# KiCad board C816SX.kicad_pcb (continued)
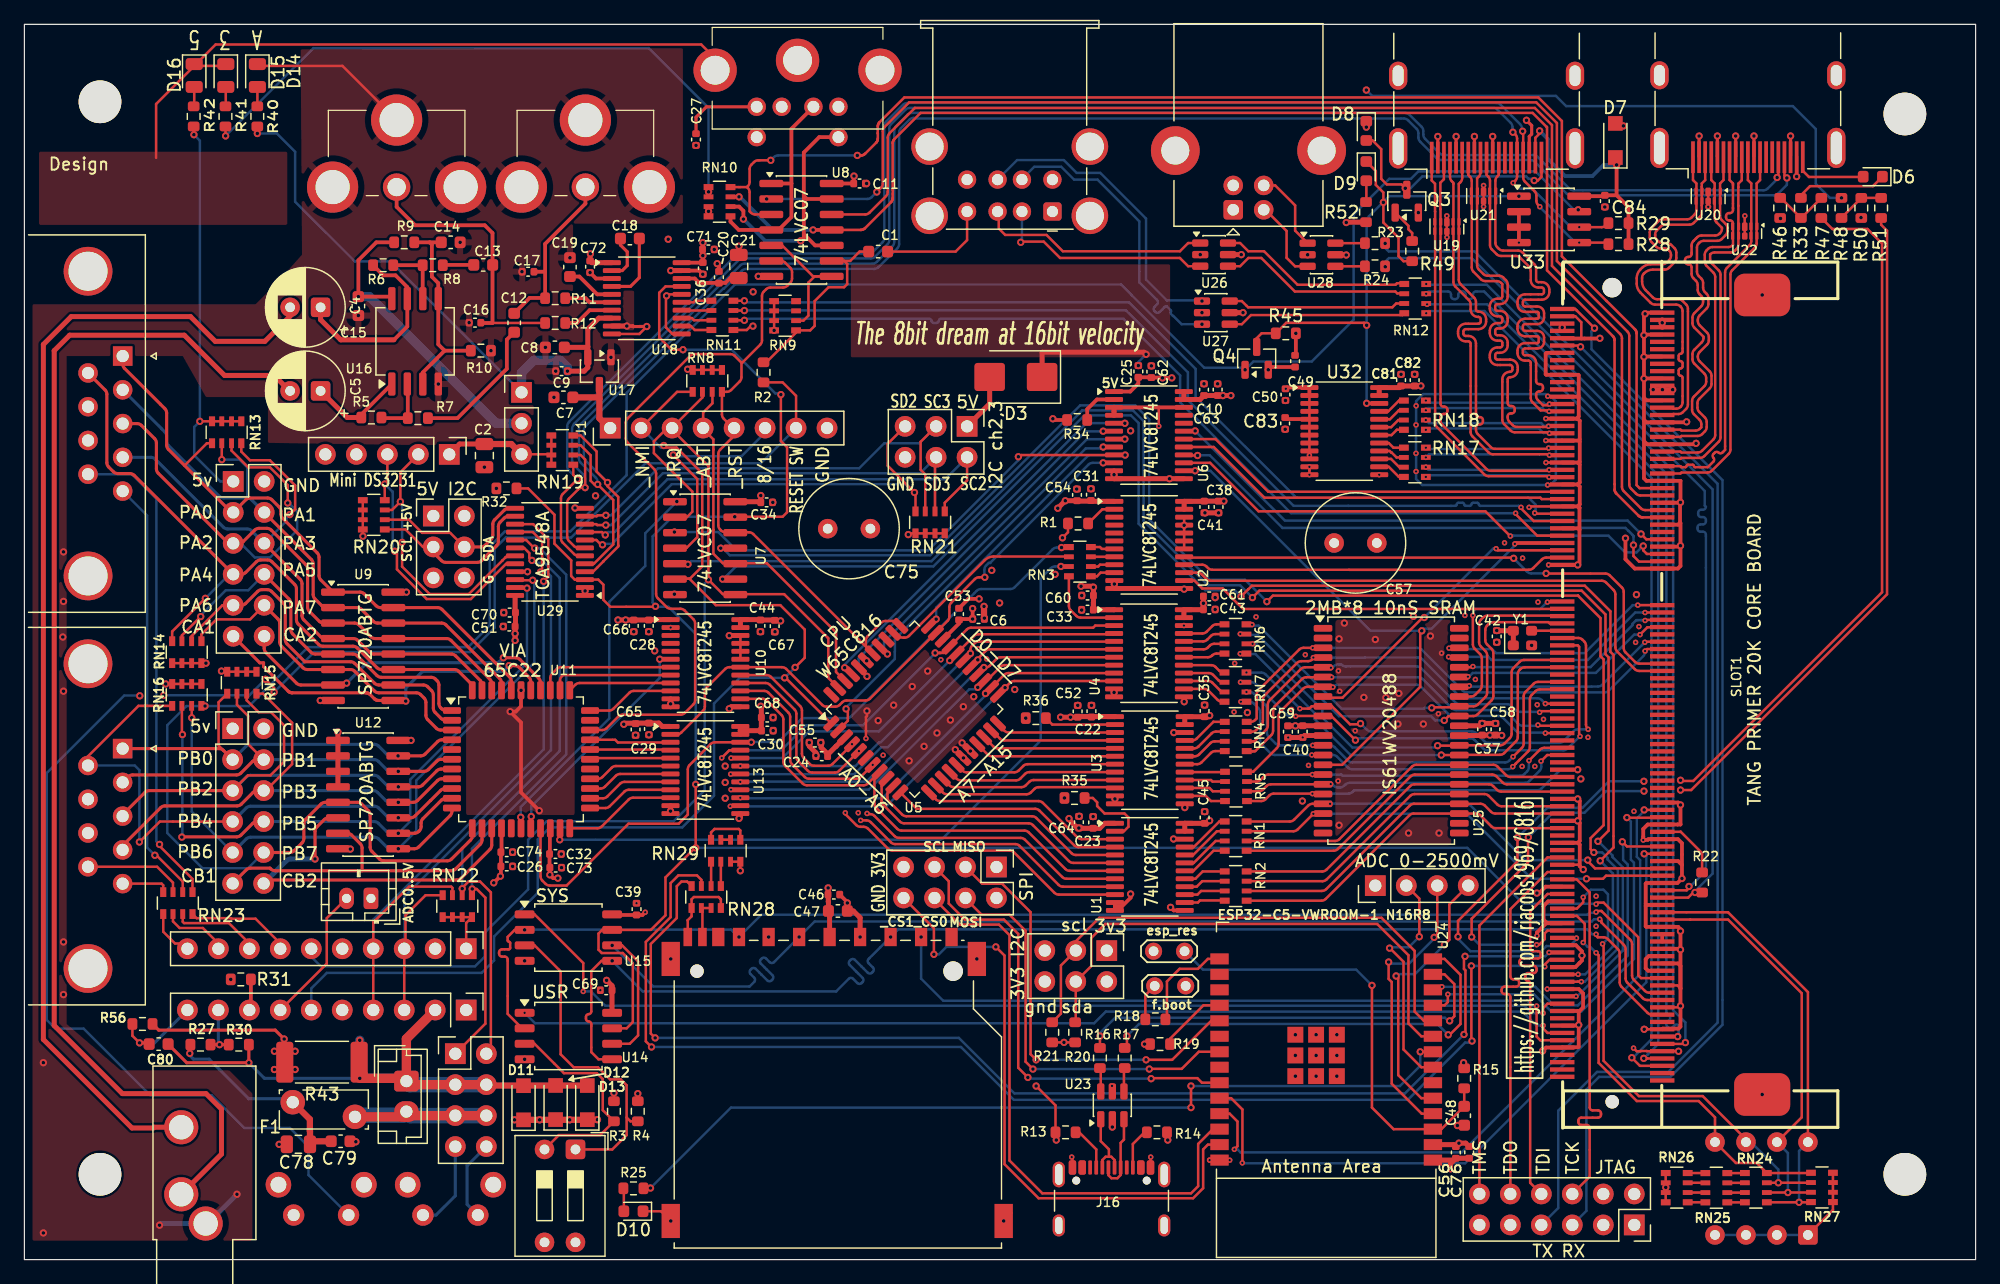
[diagram p0: board, top side]
## Library data of the parts (continued)
J28 J30 = -: Description: Generic connector, single row, 01x02, script generated (kicad-library-utils/schlib/autogen/connector/); KiLib_Generator: connector/JST; ki_fp_filters: Connector*:*_1x??_*
JP1 JP2 = -: Description: Jumper, 2-pole, open; ki_fp_filters: Jumper* TestPoint*2Pads* TestPoint*Bridge*
NT1 = -: Description: Net tie, 2 pins; ki_fp_filters: Net*Tie*
Q3 = -: Datasheet: http://www.aosmd.com/pdfs/datasheet/AO3401A.pdf; Description: -4.0A Id, -30V Vds, P-Channel MOSFET, SOT-23; KiLib_Generator: package/gullwing; LCSC: C15127; ki_fp_filters: SOT?23*
Q4 = -: Datasheet: http://www.aosmd.com/pdfs/datasheet/AO3400A.pdf; Description: 30V Vds, 5.7A Id, N-Channel MOSFET, SOT-23; KiLib_Generator: package/gullwing; LCSC: C20917; ki_fp_filters: SOT?23*
R1 R3 R4 R34-R36 R42 = -: Description: Resistor; KiLib_Generator: SMD_2terminal_chip_molded; LCSC: C21190; ki_fp_filters: R_*
R2 R11 R12 R18 R19 R25 R40 R41 R52 = -: Description: Resistor; KiLib_Generator: SMD_2terminal_chip_molded; LCSC: C23179; ki_fp_filters: R_*
R5-R8 R20 R21 R27-R31 = -: Description: Resistor; KiLib_Generator: SMD_2terminal_chip_molded; LCSC: C23018; ki_fp_filters: R_*
R9 R10 = -: Description: Resistor; KiLib_Generator: SMD_2terminal_chip_molded; LCSC: C25803; ki_fp_filters: R_*
R13 R14 = -: Description: Resistor; KiLib_Generator: SMD_2terminal_chip_molded; LCSC: C23186; ki_fp_filters: R_*
R15 R32 R45 R47 R49 R51 R56 = -: Description: Resistor; KiLib_Generator: SMD_2terminal_chip_molded; LCSC: C25804; ki_fp_filters: R_*
R16 R17 R23 R24 = -: Description: Resistor; KiLib_Generator: SMD_2terminal_chip_molded; LCSC: C23140; ki_fp_filters: R_*
R22 = -: Description: Resistor; KiLib_Generator: SMD_2terminal_chip_molded; LCSC: C22843; ki_fp_filters: R_*
R33 R48 = -: Description: Resistor; KiLib_Generator: SMD_2terminal_chip_molded; LCSC: C23151; ki_fp_filters: R_*
R43 = -: Description: Resistor; KiLib_Generator: SMD_2terminal_chip_molded; LCSC: C25334; ki_fp_filters: R_*
R46 R50 = -: Description: Resistor; KiLib_Generator: SMD_2terminal_chip_molded; LCSC: C23138; ki_fp_filters: R_*
RN1-RN7 RN11 RN12 = -: Description: 4 resistor network, parallel topology; LCSC: C25508; ki_fp_filters: DIP* SOIC* R*Array*Concave* R*Array*Convex* MSOP*
RN8 RN9 RN13-RN16 RN19-RN23 RN26-RN28 = -: Description: 4 resistor network, parallel topology; LCSC: C29718; ki_fp_filters: DIP* SOIC* R*Array*Concave* R*Array*Convex* MSOP*
RN10 RN24 RN25 RN29 = -: Description: 4 resistor network, parallel topology; LCSC: C20197; ki_fp_filters: DIP* SOIC* R*Array*Concave* R*Array*Convex* MSOP*
RN17 RN18 = -: Description: 4 resistor network, parallel topology; LCSC: C54832; ki_fp_filters: DIP* SOIC* R*Array*Concave* R*Array*Convex* MSOP*
SLOT1 = -: BOM_SUPPLIER: LCSC; BOM_SUPPLIER PART: C367004; BOM_MANUFACTURER: Lian Xin Technology; BOM_MANUFACTURER PART: XDAP-4042044-20401; SUBPART_NO: 2; BOM_JLCPCB PART CLASS: Extended Part; SPICEPRE: C; SPICESYMBOLNAME: 0705F0BE40F; ORGBOM_SUPPLIER: LCSC; ORGBOM_SUPPLIER PART: C367004; ORGBOM_MANUFACTURER: CONCRAFT; ORGBOM_MANUFACTURER PART: 0705F0BE40F; LCSC: C22471982; ki_fp_filters: DDR3-SMD_0705F0BE40F
SW1 = -: Description: 2x DIP Switch, Single Pole Single Throw (SPST) switch, small symbol; KiLib_Generator: button_switch/DIP; ki_fp_filters: SW?DIP?x2*
SW2 = -: Description: 4x DIP Switch, Single Pole Single Throw (SPST) switch, small symbol; KiLib_Generator: button_switch/DIP; ki_fp_filters: SW?DIP?x4*
SW5 SW6 = -: Description: PTS645VM83-2 LFS
U1-U4 U6 U10 U13 U32 = -: Datasheet: https://www.ti.com/lit/ds/symlink/sn74lvc8t245.pdf; Description: 8-Bit Dual-Supply Bus Transceiver; KiLib_Generator: package/gullwing; LCSC: C27643
U5 = -: Datasheet: http://www.westerndesigncenter.com/wdc/documentation/w65c816s.pdf; Description: 8/16-bit CMOS General Purpose Microprocessor, LQFP-44; KiLib_Generator: package/gullwing; LCSC: C38212898; ki_fp_filters: ?QFP*10x10mm*P0.8mm*
U7 U8 = -: Datasheet: www.ti.com/lit/ds/symlink/sn74ls07.pdf; Description: Hex Buffers and Drivers With Open Collector High Voltage Outputs; KiLib_Generator: package/gullwing; LCSC: C7659; ki_fp_filters: SOIC*3.9x8.7mm*P1.27mm* TSSOP*4.4x5mm*P0.65mm* DIP*W7.62mm*
U9 U12 = -: Datasheet: https://componentsearchengine.com/Datasheets/1/SP720APP.pdf; Description: TVS Diode Arrays 14 CH DIODE ARRAY; KiLib_Generator: package/gullwing; Height: 5.33; Mouser Part Number: 576-SP720APP; Mouser Price/Stock: https://www.mouser.co.uk/ProductDetail/Littelfuse/SP720APP?qs=RnOBYWd%2Fz7ctWfM2SrWSeA%3D%3D; Manufacturer_Name: LITTELFUSE; Manufacturer_Part_Number: SP720APP; LCSC: C434726
U11 = -: Datasheet: http://www.westerndesigncenter.com/wdc/documentation/w65c22.pdf; Description: CMOS Versatile Interface Adapter (VIA), 20-pin I/O, 2 Timer/Counters, LQFP-44; KiLib_Generator: package/gullwing; LCSC: C9900278080; ki_fp_filters: ?QFP*10x10mm*P0.8mm*
U14 U15 = -: Datasheet: https://www.winbond.com/resource-files/w25q128jv_dtr%20revc%2003272018%20plus.pdf; Description: 128Mbit / 16MiB Serial Flash Memory, Standard/Dual/Quad SPI, 2.7-3.6V, SOIC-8; KiLib_Generator: package/gullwing; LCSC: C97521; ki_fp_filters: *SOIC*5.3x5.3mm*P1.27mm*
U16 = -: Datasheet: https://www.st.com/resource/en/datasheet/ts482.pdf; Description: STMICROELECTRONICS - TS482IDT - Audio Power Amplifier, 67.5 mW, 2 Channel, 2V to 5.5V, SOIC, 8 Pins; KiLib_Generator: package/gullwing; Height: 1.75; Mouser Part Number: 511-TS482IDT; Mouser Price/Stock: https://www.mouser.co.uk/ProductDetail/STMicroelectronics/TS482IDT?qs=5h8Q3Z7TNRlAZa7gg2ishA%3D%3D; Manufacturer_Name: STMicroelectronics; LCSC: C20632
U17 = -: Datasheet: https://www.torexsemi.com/file/xc6206/XC6206.pdf; Description: Positive 60-250mA Low Dropout Regulator, Fixed Output, SOT-23; KiLib_Generator: package/gullwing; LCSC: C5446; ki_fp_filters: SOT?23?3*
U18 = -: Datasheet: https://www.ti.com/lit/ds/symlink/pcm5102a.pdf; Description: 2.1 VRMS, 112dB Audio Stereo DAC with PLL and 32-bit, 384kHz PCM Interface, TSSOP-20; KiLib_Generator: package/gullwing; LCSC: C107671; ki_fp_filters: TSSOP*4.4x6.5mm*P0.65mm*
U19-U22 = -: Datasheet: https://www.lcsc.com/datasheet/C4748778.pdf; Description: 4-Channel Low Capacitance ESD Diode Array, 3.3Vrwm, 15kV air, 10kV contact, DFN-10; KiLib_Generator: package/no_lead; LCSC: C552638; ki_fp_filters: Diodes*UDFN*1x2.5mm*P0.5mm*
U23 U26-U28 = -: Datasheet: https://www.st.com/resource/en/datasheet/usblc6-2.pdf; Description: Very low capacitance ESD protection diode, 2 data-line, SOT-23-6; KiLib_Generator: package/gullwing; LCSC: C7519; ki_fp_filters: SOT?23*
U24 = -: LCSC: C53054799; ki_fp_filters: ESP32-C6-WROOM-1*
U25 = -: Datasheet: http://www.issi.com/WW/pdf/61-64WV20488FALL-FBLL.pdf; Description: SRAM 16Mb,High-Speed,Async,2Mbx8,10ns, 2.4v-3.6v, 44 Pin TSOP II, RoHS; KiLib_Generator: package/gullwing; Height: 1.2; Mouser Part Number: 870-61W20488FBLL10TI; Mouser Price/Stock: https://www.mouser.co.uk/ProductDetail/ISSI/IS61WV20488FBLL-10TLI?qs=l7cgNqFNU1hrNZYLU3MwTg%3D%3D; Manufacturer_Name: Integrated Silicon Solution Inc.; Manufacturer_Part_Number: IS61WV20488FBLL-10TLI; LCSC: C412835
U29 = -: Datasheet: http://www.ti.com/lit/ds/symlink/tca9548a.pdf; Description: Low voltage 8-channel I2C switch with reset, TSSOP-24; KiLib_Generator: package/gullwing; LCSC: C130026; ki_fp_filters: TSSOP*4.4x7.8mm*P0.65mm*
U33 = -: Datasheet: https://ww1.microchip.com/downloads/aemDocuments/documents/MPD/ProductDocuments/DataSheets/2-Kbit-5.0V-I2C-Serial-EEPROM-Data-Sheet-DS20001202.pdf; Description: 2-Kbit (256 x 8-bit) I2C Serial EEPROM, chip address inputs (A0, A1, A2), write-protect pin (WP), 4.5..5.5V supply, SOIC-8; KiLib_Generator: package/gullwing; ki_fp_filters: *SO*3.9x4.9mm*P1.27mm*
Y1 = -: Datasheet: https://www.sitime.com/support/resource-library/datasheets/sit8008-datasheet; Description: SiTime Low Power Mems programmable oscillator, 1MHz to 110MHz, PQFN-4, 2.0x1.6mm (with output enable pin); KiLib_Generator: crystal_resonator_oscillator; LCSC: C668757; ki_fp_filters: *PQFN*2.0x1.6mm*

## Footprints (pads in the part's own frame, mm; a bottom-side part is the same pattern mirrored in y, then rotated)
57492651
  round 1.509 hole 0.97: 1(0,0) 2(-2.6,0) 3(2.05,0) 4(-4.65,0) 5(2.05,-2.49) 6(-4.65,-2.49)
  round 3.555 hole 2.37: 7(-1.3,3.81) 8(-8.06,3) 9(5.46,3)
C_0402_1005Metric
  rrect 0.56x0.62 smd: 1(-0.48,0) 2(0.48,0)
C_0603_1608Metric
  rrect 0.9x0.95 smd: 1(-0.775,0) 2(0.775,0)
C_0805_2012Metric
  rrect 1x1.45 smd: 1(-0.95,0) 2(0.95,0)
C_Radial_D8.0mm_H7.0mm_P3.50mm
  round 1.6 hole 0.8: 1(0,0) 2(3.5,0)
CP_Radial_D6.3mm_P2.50mm
  rrect 1.6x1.6 hole 0.8: 1(0,0)
  round 1.6 hole 0.8: 2(2.5,0)
D_SMB
  rrect 2.5x2.3 smd: 1(-2.15,0) 2(2.15,0)
DDR3-SMD_0705F0BE40F
  round 1.6 hole 1.6 unplated: (-33.401,0)
  round 1.1 hole 1.1 unplated: (33.399,0)
  rect 0.35x2 smd: 1(-31.65,-4.1) 2(-31.35,4.1) 3(-31.051,-4.1) 4(-30.751,4.1) 5(-30.452,-4.1) 6(-30.152,4.1) 7(-29.851,-4.1) 8(-29.551,4.1) 9(-29.251,-4.1) 10(-28.951,4.1) 11(-28.65,-4.1) 12(-28.35,4.1) 13(-28.051,-4.1) 14(-27.751,4.1) 15(-27.451,-4.1) 16(-27.151,4.1) 17(-26.851,-4.1) 18(-26.551,4.1) 19(-26.25,-4.1) 20(-25.95,4.1) 21(-25.651,-4.1) 22(-25.351,4.1) 23(-25.052,-4.1) 24(-24.752,4.1) 25(-24.451,-4.1) 26(-24.151,4.1) 27(-23.851,-4.1) 28(-23.551,4.1) 29(-23.25,-4.1) 30(-22.95,4.1) 31(-22.651,-4.1) 32(-22.351,4.1) 33(-22.052,-4.1) 34(-21.751,4.1) 35(-21.451,-4.1) 36(-21.151,4.1) 37(-20.85,-4.1) 38(-20.55,4.1) 39(-20.251,-4.1) 40(-19.951,4.1) 41(-19.652,-4.1) 42(-19.352,4.1) 43(-19.051,-4.1) 44(-18.751,4.1) 45(-18.451,-4.1) 46(-18.151,4.1) 47(-17.85,-4.1) 48(-17.55,4.1) 49(-17.251,-4.1) 50(-16.951,4.1) 51(-16.651,-4.1) 52(-16.352,4.1) 53(-16.051,-4.1) 54(-15.751,4.1) 55(-15.45,-4.1) 56(-15.15,4.1) 57(-14.851,-4.1) 58(-14.551,4.1) 59(-14.252,-4.1) 60(-13.952,4.1) 61(-13.651,-4.1) 62(-13.351,4.1) 63(-13.051,-4.1) 64(-12.751,4.1) 65(-12.45,-4.1) 66(-12.15,4.1) 67(-11.851,-4.1) 68(-11.551,4.1) 69(-11.252,-4.1) 70(-10.952,4.1) 71(-10.651,-4.1) 72(-10.351,4.1) 73(-7.651,-4.1) 74(-7.351,4.1) 75(-7.05,-4.1) 76(-6.75,4.1) 77(-6.451,-4.1) 78(-6.151,4.1) 79(-5.852,-4.1) 80(-5.552,4.1) 81(-5.251,-4.1) 82(-4.951,4.1) 83(-4.65,-4.1) 84(-4.351,4.1) 85(-4.05,-4.1) 86(-3.75,4.1) 87(-3.452,-4.1) 88(-3.152,4.1) 89(-2.851,-4.1) 90(-2.551,4.1) 91(-2.251,-4.1) 92(-1.951,4.1) 93(-1.65,-4.1) 94(-1.35,4.1) 95(-1.051,-4.1) 96(-0.751,4.1) 97(-0.452,-4.1) 98(-0.152,4.1) 99(0.149,-4.1) 100(0.449,4.1) 101(0.749,-4.1) 102(1.049,4.1) 103(1.35,-4.1) 104(1.65,4.1) 105(1.949,-4.1) 106(2.249,4.1) 107(2.549,-4.1) 108(2.849,4.1) 109(3.149,-4.1) 110(3.449,4.1) 111(3.75,-4.1) 112(4.05,4.1) 113(4.349,-4.1) 114(4.649,4.1) 115(4.948,-4.1) 116(5.248,4.1) 117(5.549,-4.1) 118(5.849,4.1) 119(6.149,-4.1) 120(6.449,4.1) 121(6.75,-4.1) 122(7.05,4.1) 123(7.349,-4.1) 124(7.649,4.1) 125(7.949,-4.1) 126(8.249,4.1) 127(8.549,-4.1) 128(8.849,4.1) 129(9.15,-4.1) 130(9.45,4.1) 131(9.749,-4.1) 132(10.049,4.1) 133(10.348,-4.1) 134(10.648,4.1) 135(10.949,-4.1) 136(11.249,4.1) 137(11.549,-4.1) 138(11.849,4.1) 139(12.15,-4.1) 140(12.45,4.1) 141(12.749,-4.1) 142(13.049,4.1) 143(13.349,-4.1) 144(13.649,4.1) 145(13.949,-4.1) 146(14.249,4.1) 147(14.55,-4.1) 148(14.85,4.1) 149(15.149,-4.1) 150(15.449,4.1) 151(15.748,-4.1) 152(16.048,4.1) 153(16.349,-4.1) 154(16.649,4.1) 155(16.949,-4.1) 156(17.249,4.1) 157(17.55,-4.1) 158(17.85,4.1) 159(18.149,-4.1) 160(18.449,4.1) 161(18.748,-4.1) 162(19.048,4.1) 163(19.349,-4.1) 164(19.649,4.1) 165(19.95,-4.1) 166(20.25,4.1) 167(20.549,-4.1) 168(20.849,4.1) 169(21.148,-4.1) 170(21.448,4.1) 171(21.748,-4.1) 172(22.048,4.1) 173(22.349,-4.1) 174(22.649,4.1) 175(22.95,-4.1) 176(23.25,4.1) 177(23.549,-4.1) 178(23.849,4.1) 179(24.148,-4.1) 180(24.448,4.1) 181(24.749,-4.1) 182(25.049,4.1) 183(25.35,-4.1) 184(25.65,4.1) 185(25.95,-4.1) 186(26.25,4.1) 187(26.548,-4.1) 188(26.848,4.1) 189(27.149,-4.1) 190(27.449,4.1) 191(27.749,-4.1) 192(28.049,4.1) 193(28.35,-4.1) 194(28.65,4.1) 195(28.949,-4.1) 196(29.249,4.1) 197(29.548,-4.1) 198(29.848,4.1) 199(30.149,-4.1) 200(30.449,4.1) 201(30.749,-4.1) 202(31.049,4.1) 203(31.35,-4.1) 204(31.65,4.1)
  rrect 3.5x4.6 smd: MP(-32.8,12.3) MP(32.8,12.3)
Diodes_UDFN-10_1x2.5mm_P0.5mm
  rrect 0.625x0.25 smd: 1(-0.388,1) 2(-0.388,0.5) 4(-0.388,-0.5) 5(-0.388,-1) 6(0.388,-1) 7(0.388,-0.5) 9(0.388,0.5) 10(0.388,1)
  rrect 0.7x0.45 smd: 3(-0.35,0)
  rrect 0.575x0.45 smd: 8(0.412,0)
DSUB-9_Pins_Horizontal_P2.77x2.84mm_EdgePinOffset4.94mm_Housed_MountingHolesOffset4.94mm
  rect 1.6x1.6 hole 1: 1(0,0)
  round 1.6 hole 1: 2(2.77,0) 3(5.54,0) 4(8.31,0) 5(11.08,0) 6(1.385,-2.84) 7(4.155,-2.84) 8(6.925,-2.84) 9(9.695,-2.84)
  round 4 hole 3.2: SH(-6.96,-2.84) SH(18.04,-2.84)
ESP32-C5-WROOM-1
  rect 1.5x0.9 smd: 1(-8.5,5.76) 2(-8.5,4.49) 3(-8.5,3.22) 4(-8.5,1.95) 5(-8.5,0.68) 6(-8.5,-0.59) 7(-8.5,-1.86) 8(-8.5,-3.13) 9(-8.5,-4.4) 10(-8.5,-5.67) 11(-8.5,-6.94) 12(-8.5,-8.21) 13(-8.5,-9.48) 14(-8.5,-10.75) 15(9,-10.75) 16(9,-9.48) 17(9,-8.21) 18(9,-6.94) 19(9,-5.67) 20(9,-4.4) 21(9,-3.13) 22(9,-1.86) 23(9,-0.59) 24(9,0.68) 25(9,1.95) 26(9,3.22) 27(9,4.49) 28(9,5.76)
  rect 1.3x1.3 smd: 29(-0.62,-1.128) 29(-0.62,-2.828) 29(-0.62,-4.528) 29(1.08,-1.128) 29(1.08,-2.828) 29(1.08,-4.528) 29(2.78,-1.128) 29(2.78,-2.828) 29(2.78,-4.528)
Fuse_Bourns_MF-RG300
  round 2.01 hole 1.01: 1(0,0) 2(5.1,-1.2)
HDMI_A_Molex_208658-1001_Horizontal
  rect 2.6x0.3 smd: 1(-3.285,4.5) 2(-3.285,4) 3(-3.285,3.5) 4(-3.285,3) 5(-3.285,2.5) 6(-3.285,2) 7(-3.285,1.5) 8(-3.285,1) 9(-3.285,0.5) 10(-3.285,0) 11(-3.285,-0.5) 12(-3.285,-1) 13(-3.285,-1.5) 14(-3.285,-2) 15(-3.285,-2.5) 16(-3.285,-3) 17(-3.285,-3.5) 18(-3.285,-4) 19(-3.285,-4.5)
  oval 3.3x1.5 hole 2.7x0.9: SH(-2.525,7.25) SH(-2.525,-7.25)
  oval 2.3x1.5 hole 1.7x0.9: SH(3.435,7.25) SH(3.435,-7.25)
Jack_3.5mm_CUI_SJ1-3533NG_Horizontal_CircularHoles
  round 2.8 hole 2: R(2,-7.9) S(0,0) T(2,-2.4)
JST_EH_B2B-EH-A_1x02_P2.50mm_Vertical
  rrect 1.7x2 hole 1: 1(0,0)
  oval 1.7x2 hole 1: 2(2.5,0)
JST_PH_B2B-PH-K_1x02_P2.00mm_Vertical
  rrect 1.2x1.75 hole 0.75: 1(0,0)
  oval 1.2x1.75 hole 0.75: 2(2,0)
LED_0603_1608Metric
  rrect 0.875x0.95 smd: 1(-0.787,0) 2(0.787,0)
LED_0805_2012Metric
  rrect 0.975x1.4 smd: 1(-0.938,0) 2(0.938,0)
LQFP-44_10x10mm_P0.8mm
  rrect 1.475x0.55 smd: 1(-5.662,4) 2(-5.662,3.2) 3(-5.662,2.4) 4(-5.662,1.6) 5(-5.662,0.8) 6(-5.662,0) 7(-5.662,-0.8) 8(-5.662,-1.6) 9(-5.662,-2.4) 10(-5.662,-3.2) 11(-5.662,-4) 23(5.662,-4) 24(5.662,-3.2) 25(5.662,-2.4) 26(5.662,-1.6) 27(5.662,-0.8) 28(5.662,0) 29(5.662,0.8) 30(5.662,1.6) 31(5.662,2.4) 32(5.662,3.2) 33(5.662,4)
  rrect 0.55x1.475 smd: 12(-4,-5.662) 13(-3.2,-5.662) 14(-2.4,-5.662) 15(-1.6,-5.662) 16(-0.8,-5.662) 17(0,-5.662) 18(0.8,-5.662) 19(1.6,-5.662) 20(2.4,-5.662) 21(3.2,-5.662) 22(4,-5.662) 34(4,5.662) 35(3.2,5.662) 36(2.4,5.662) 37(1.6,5.662) 38(0.8,5.662) 39(0,5.662) 40(-0.8,5.662) 41(-1.6,5.662) 42(-2.4,5.662) 43(-3.2,5.662) 44(-4,5.662)
MountingHole_3.5mm
  round 3.5 hole 3.5 unplated: (0,0)
MyNetTie-2_SMD_Pad0.25mm
  oval 0.254x0.254 smd: 1(-0.25,0)
  oval 0.25x0.254 smd: 2(0.25,0)
Nexperia_CFP3_SOD-123W
  rect 1.2x1.2 smd: 1(-1.4,0) 2(1.4,0)
NYS354
  round 2.25 hole 1.5: 1(0,0)
  round 4.2 hole 2.8: MH1(0,5.5) MH2(-5.25,0) MH3(5.25,0)
Oscillator_SMD_SiT_PQFN-4Pin_2.0x1.6mm
  rrect 0.9x0.8 smd: 1(-0.75,-0.6) 2(0.75,-0.6) 3(0.75,0.6) 4(-0.75,0.6)
PinHeader_1x03_P2.54mm_Vertical
  rect 1.7x1.7 hole 1: 1(0,0)
  round 1.7 hole 1: 2(0,-2.54) 3(0,-5.08)
PinHeader_1x04_P2.54mm_Vertical
  rect 1.7x1.7 hole 1: 1(0,0)
  round 1.7 hole 1: 2(0,-2.54) 3(0,-5.08) 4(0,-7.62)
PinHeader_1x05_P2.54mm_Vertical
  rect 1.7x1.7 hole 1: 1(0,0)
  round 1.7 hole 1: 2(0,-2.54) 3(0,-5.08) 4(0,-7.62) 5(0,-10.16)
PinHeader_1x08_P2.54mm_Vertical
  rect 1.7x1.7 hole 1: 1(0,0)
  round 1.7 hole 1: 2(0,-2.54) 3(0,-5.08) 4(0,-7.62) 5(0,-10.16) 6(0,-12.7) 7(0,-15.24) 8(0,-17.78)
PinHeader_1x10_P2.54mm_Vertical
  rect 1.7x1.7 hole 1: 1(0,0)
  round 1.7 hole 1: 2(0,-2.54) 3(0,-5.08) 4(0,-7.62) 5(0,-10.16) 6(0,-12.7) 7(0,-15.24) 8(0,-17.78) 9(0,-20.32) 10(0,-22.86)
PinHeader_2x03_P2.54mm_Vertical
  rect 1.7x1.7 hole 1: 1(0,0)
  round 1.7 hole 1: 2(2.54,0) 3(0,-2.54) 4(2.54,-2.54) 5(0,-5.08) 6(2.54,-5.08)
PinHeader_2x04_P2.54mm_Vertical
  rect 1.7x1.7 hole 1: 1(0,0)
  round 1.7 hole 1: 2(2.54,0) 3(0,-2.54) 4(2.54,-2.54) 5(0,-5.08) 6(2.54,-5.08) 7(0,-7.62) 8(2.54,-7.62)
PinHeader_2x06_P2.54mm_Vertical
  rect 1.7x1.7 hole 1: 1(0,0)
  round 1.7 hole 1: 2(2.54,0) 3(0,-2.54) 4(2.54,-2.54) 5(0,-5.08) 6(2.54,-5.08) 7(0,-7.62) 8(2.54,-7.62) 9(0,-10.16) 10(2.54,-10.16) 11(0,-12.7) 12(2.54,-12.7)
PinSocket_2x06_P2.54mm_Vertical
  rect 1.7x1.7 hole 1: 1(0,0)
  round 1.7 hole 1: 2(-2.54,0) 3(0,-2.54) 4(-2.54,-2.54) 5(0,-5.08) 6(-2.54,-5.08) 7(0,-7.62) 8(-2.54,-7.62) 9(0,-10.16) 10(-2.54,-10.16) 11(0,-12.7) 12(-2.54,-12.7)
R_0603_1608Metric
  rrect 0.8x0.95 smd: 1(-0.825,0) 2(0.825,0)
R_2512_6332Metric_Pad1.40x3.35mm_HandSolder
  rrect 1.4x3.35 smd: 1(-3.05,0) 2(3.05,0)
R_Array_Convex_4x0603
  rect 0.8x0.5 smd: 1(-0.9,1.2) 4(-0.9,-1.2) 5(0.9,-1.2) 8(0.9,1.2)
  rect 0.8x0.4 smd: 2(-0.9,0.4) 3(-0.9,-0.4) 6(0.9,-0.4) 7(0.9,0.4)
SD_TE_2041021
  round 1.1 hole 1.1 unplated: (-11.5,9.175)
  round 1.6 hole 1.6 unplated: (9.5,9.175)
  rect 1x1.5 smd: 1(6.875,11.975) 2(4.375,11.975) 3(1.875,11.975) 4(-0.625,11.975) 5(-3.125,11.975) 6(-5.625,11.975) 7(-8.055,11.975) 8(-9.755,11.975) 9(9.375,11.975)
  rect 0.7x1.5 smd: 10(-11.055,11.975) 11(-12.255,11.975)
  rect 1.5x2.8 smd: SH(-13.65,10.175) SH(-13.65,-11.325) SH(11.45,10.175) SH(13.65,-11.325)
SOIC-8_3.9x4.9mm_P1.27mm
  rrect 1.95x0.6 smd: 1(-2.475,1.905) 2(-2.475,0.635) 3(-2.475,-0.635) 4(-2.475,-1.905) 5(2.475,-1.905) 6(2.475,-0.635) 7(2.475,0.635) 8(2.475,1.905)
SOIC-8_5.3x5.3mm_P1.27mm
  rrect 1.625x0.65 smd: 1(-3.587,1.905) 2(-3.587,0.635) 3(-3.587,-0.635) 4(-3.587,-1.905) 5(3.587,-1.905) 6(3.587,-0.635) 7(3.587,0.635) 8(3.587,1.905)
SOIC-8_5.3x6.2mm_P1.27mm
  rrect 1.9x0.6 smd: 1(-3.5,1.905) 2(-3.5,0.635) 3(-3.5,-0.635) 4(-3.5,-1.905) 5(3.5,-1.905) 6(3.5,-0.635) 7(3.5,0.635) 8(3.5,1.905)
SOIC-14_3.9x8.7mm_P1.27mm
  rrect 1.95x0.6 smd: 1(-2.475,3.81) 2(-2.475,2.54) 3(-2.475,1.27) 4(-2.475,0) 5(-2.475,-1.27) 6(-2.475,-2.54) 7(-2.475,-3.81) 8(2.475,-3.81) 9(2.475,-2.54) 10(2.475,-1.27) 11(2.475,0) 12(2.475,1.27) 13(2.475,2.54) 14(2.475,3.81)
SOIC-16_3.9x9.9mm_P1.27mm
  rrect 1.95x0.6 smd: 1(-2.475,4.445) 2(-2.475,3.175) 3(-2.475,1.905) 4(-2.475,0.635) 5(-2.475,-0.635) 6(-2.475,-1.905) 7(-2.475,-3.175) 8(-2.475,-4.445) 9(2.475,-4.445) 10(2.475,-3.175) 11(2.475,-1.905) 12(2.475,-0.635) 13(2.475,0.635) 14(2.475,1.905) 15(2.475,3.175) 16(2.475,4.445)
SOT-23
  rrect 1.475x0.6 smd: 1(-0.938,0.95) 2(-0.938,-0.95) 3(0.938,0)
SOT-23-3
  rrect 1.325x0.6 smd: 1(-1.137,0.95) 2(-1.137,-0.95) 3(1.137,0)
SOT-23-6
  rrect 1.325x0.6 smd: 1(-1.137,0.95) 2(-1.137,0) 3(-1.137,-0.95) 4(1.137,-0.95) 5(1.137,0) 6(1.137,0.95)
SW_DIP_SPSTx02_Slide_9.78x7.26mm_W7.62mm_P2.54mm
  rrect 1.6x1.6 hole 0.8: 1(0,0)
  round 1.6 hole 0.8: 2(0,-2.54) 3(7.62,-2.54) 4(7.62,0)
SW_DIP_SPSTx04_Piano_CTS_Series194-4MSTN_W7.62mm_P2.54mm
  rrect 1.6x1.6 hole 0.8: 1(0,0)
  round 1.6 hole 0.8: 2(0,-2.54) 3(0,-5.08) 4(0,-7.62) 5(7.62,-7.62) 6(7.62,-5.08) 7(7.62,-2.54) 8(7.62,0)
SW_Tactile_SPST_Angled_PTS645Vx83-2LFS
  round 2.1 hole 1.3: (-1.25,-2.49) (5.76,-2.49)
  round 1.75 hole 0.99: 1(0,0) 2(4.5,0)
TestPoint_2Pads_Pitch2.54mm_Drill0.8mm
  round 1.4 hole 0.8: 1(0,0) 2(2.54,0)
TSOP-II-44_10.16x18.41mm_P0.8mm
  rrect 1.525x0.55 smd: 1(-5.588,8.4) 2(-5.588,7.6) 3(-5.588,6.8) 4(-5.588,6) 5(-5.588,5.2) 6(-5.588,4.4) 7(-5.588,3.6) 8(-5.588,2.8) 9(-5.588,2) 10(-5.588,1.2) 11(-5.588,0.4) 12(-5.588,-0.4) 13(-5.588,-1.2) 14(-5.588,-2) 15(-5.588,-2.8) 16(-5.588,-3.6) 17(-5.588,-4.4) 18(-5.588,-5.2) 19(-5.588,-6) 20(-5.588,-6.8) 21(-5.588,-7.6) 22(-5.588,-8.4) 23(5.588,-8.4) 24(5.588,-7.6) 25(5.588,-6.8) 26(5.588,-6) 27(5.588,-5.2) 28(5.588,-4.4) 29(5.588,-3.6) 30(5.588,-2.8) 31(5.588,-2) 32(5.588,-1.2) 33(5.588,-0.4) 34(5.588,0.4) 35(5.588,1.2) 36(5.588,2) 37(5.588,2.8) 38(5.588,3.6) 39(5.588,4.4) 40(5.588,5.2) 41(5.588,6) 42(5.588,6.8) 43(5.588,7.6) 44(5.588,8.4)
TSSOP-20_4.4x6.5mm_P0.65mm
  rrect 1.475x0.4 smd: 1(-2.862,2.925) 2(-2.862,2.275) 3(-2.862,1.625) 4(-2.862,0.975) 5(-2.862,0.325) 6(-2.862,-0.325) 7(-2.862,-0.975) 8(-2.862,-1.625) 9(-2.862,-2.275) 10(-2.862,-2.925) 11(2.862,-2.925) 12(2.862,-2.275) 13(2.862,-1.625) 14(2.862,-0.975) 15(2.862,-0.325) 16(2.862,0.325) 17(2.862,0.975) 18(2.862,1.625) 19(2.862,2.275) 20(2.862,2.925)
TSSOP-24_4.4x7.8mm_P0.65mm
  rrect 1.475x0.4 smd: 1(-2.862,3.575) 2(-2.862,2.925) 3(-2.862,2.275) 4(-2.862,1.625) 5(-2.862,0.975) 6(-2.862,0.325) 7(-2.862,-0.325) 8(-2.862,-0.975) 9(-2.862,-1.625) 10(-2.862,-2.275) 11(-2.862,-2.925) 12(-2.862,-3.575) 13(2.862,-3.575) 14(2.862,-2.925) 15(2.862,-2.275) 16(2.862,-1.625) 17(2.862,-0.975) 18(2.862,-0.325) 19(2.862,0.325) 20(2.862,0.975) 21(2.862,1.625) 22(2.862,2.275) 23(2.862,2.925) 24(2.862,3.575)
USB_A_Wuerth_61400826021_Horizontal_Stacked
  rrect 1.5x1.5 hole 0.92: 1(0,0)
  round 1.5 hole 0.92: 2(2.5,0) 3(4.5,0) 4(7,0) 5(0,-2.62) 6(2.5,-2.62) 7(4.5,-2.62) 8(7,-2.62)
  round 3 hole 2.3: SH(-3.07,0.35) SH(-3.07,-5.33) SH(10.07,0.35) SH(10.07,-5.33)
USB_B_Lumberg_2411_02_Horizontal
  rrect 1.6x1.6 hole 0.95: 1(0,0)
  round 1.6 hole 0.95: 2(0,-2.5) 3(2,-2.5) 4(2,0)
  round 4 hole 2.3: SH(4.86,4.75) SH(4.86,-7.25)
USB_C_Receptacle_GCT_USB4105-xx-A_16P_TopMnt_Horizontal
  round 0.65 hole 0.65 unplated: (-2.89,2.605) (2.89,2.605)
  rrect 0.6x1.15 smd: A1(-3.2,3.68) A4(-2.4,3.68) A9(2.4,3.68) A12(3.2,3.68) B1(3.2,3.68) B4(2.4,3.68) B9(-2.4,3.68) B12(-3.2,3.68)
  rrect 0.3x1.15 smd: A5(-1.25,3.68) A6(-0.25,3.68) A7(0.25,3.68) A8(1.25,3.68) B5(1.75,3.68) B6(0.75,3.68) B7(-0.75,3.68) B8(-1.75,3.68)
  oval 1x2.1 hole 0.6x1.7: SH(-4.32,3.105) SH(4.32,3.105)
  oval 1x1.8 hole 0.6x1.4: SH(-4.32,-1.075) SH(4.32,-1.075)

## Nets
+3V3: C10.1 C11.1 C34.1 C35.1 C36.1 C37.1 C38.1 C39.1 C40.1 C41.2 C42.1 C43.1 C44.1 C45.1 C46.1 C47.1 C56.1 C57.1 C58.1 C59.1 C61.1 C63.1 C67.1 C69.1 C71.1 C72.1 C76.1 C81.1 C82.1 J3.4 J17.1 R3.1 R4.1 R15.2 R20.1 R21.1 R31.1 R41.1 RN10.1 RN10.2 RN26.1 RN26.2 RN26.3 RN26.4 RN29.7 RN29.8 SLOT1.22 SLOT1.24 U1.23 U1.24 U2.23 U2.24 U3.23 U3.24 U4.23 U4.24 U6.23 U6.24 U7.14 U8.14 U10.23 U10.24 U14.8 U15.8 U18.1 U18.20 U23.5 U24.2 U25.11 U25.33 U26.5 U27.5 U28.5 U32.23 U32.24 Y1.1 Y1.4
/Audio - Video/VCC_HDMI: C84.2 D7.1 J15.18 R28.1 R29.1 U33.8
/ESP/3V3: J19.2
/I2C/GNDIN: C80.1 D11.2 D12.2 D13.2 J4.3 J4.4 J26.2 J30.1 R30.2 R43.1
/I2C/VIN(5V): F1.1 J4.5 J4.6 J30.2
AGND: C8.2 C9.2 C14.2 C15.2 C16.2 C17.2 C19.2 D14.1 J10.S J11.MH1 J11.MH2 J11.MH3 J13.MH1 J13.MH2 J13.MH3 NT1.2 R10.2 U16.4 U17.1 U18.9
AVDD: C8.1 C9.1 J12.1 R40.1 U17.2 U18.8
GND: C1.2 C2.2 C6.2 C7.2 C10.2 C11.2 C20.2 C21.2 C22.2 C23.2 C24.2 C25.2 C26.2 C27.2 C28.2 C29.2 C30.2 C31.2 C32.2 C33.1 C34.2 C35.2 C36.2 C37.2 C38.2 C39.2 C40.2 C41.1 C42.2 C43.2 C44.2 C45.2 C46.2 C47.2 C48.1 C49.2 C50.2 C51.2 C52.2 C53.2 C54.2 C55.2 C56.2 C57.2 C58.2 C59.2 C60.2 C61.2 C62.2 C63.2 C64.2 C65.2 C66.2 C67.2 C68.2 C69.2 C70.2 C71.2 C72.2 C73.2 C74.2 C75.2 C76.2 C78.2 C79.1 C81.2 C82.2 C83.2 C84.1 D3.1 D10.1 D15.1 D16.1 J1.8 J2.1 J2.2 J3.3 J3.6 J3.SH J5.3 J5.7 J5.8 J5.9 J6.2 J7.2 J8.8 J9.8 J14.2 J14.5 J14.8 J14.11 J14.17 J14.SH J15.2 J15.5 J15.8 J15.11 J15.17 J15.SH J16.A1 J16.A12 J16.B1 J16.B12 J16.SH J17.6 J18.1 J19.1 J20.4 J20.8 J20.SH J21.4 J21.SH J22.6 J23.6 J25.5 J26.5 J28.1 J29.2 JP1.2 JP2.2 NT1.1 Q4.2 R1.1 R13.1 R14.1 R19.1 R32.1 R43.2 R46.2 R50.2 R56.2 RN11.1 RN27.5 RN27.6 RN27.7 RN27.8 SLOT1.2 SLOT1.3 SLOT1.8 SLOT1.9 SLOT1.13 SLOT1.14 SLOT1.19 SLOT1.20 SLOT1.25 SLOT1.26 SLOT1.31 SLOT1.32 SLOT1.37 SLOT1.38 SLOT1.43 SLOT1.48 SLOT1.49 SLOT1.54 SLOT1.55 SLOT1.60 SLOT1.61 SLOT1.66 SLOT1.71 SLOT1.72 SLOT1.127 SLOT1.128 SLOT1.133 SLOT1.134 SLOT1.138 SLOT1.139 SLOT1.144 SLOT1.145 SLOT1.150 SLOT1.151 SLOT1.155 SLOT1.156 SLOT1.161 SLOT1.162 SLOT1.167 SLOT1.168 SLOT1.172 SLOT1.173 SLOT1.178 SLOT1.179 SLOT1.184 SLOT1.185 SLOT1.189 SLOT1.190 SLOT1.195 SLOT1.196 SLOT1.MP SW1.3 SW1.4 SW2.1 SW2.2 SW2.3 SW2.4 SW5.1 U1.11 U1.12 U1.13 U1.22 U2.11 U2.12 U2.13 U2.18 U2.19 U2.20 U2.21 U2.22 U3.11 U3.12 U3.13 U3.22 U4.11 U4.12 U4.13 U4.22 U5.17 U5.18 U5.39 U6.3 U6.4 U6.11 U6.12 U6.13 U6.22 U7.7 U8.7 U9.8 U10.2 U10.11 U10.12 U10.13 U10.19 U10.20 U10.21 U10.22 U11.39 U12.1 U12.2 U12.3 U12.4 U12.8 U13.11 U13.12 U13.13 U14.4 U15.4 U18.3 U18.10 U18.11 U18.16 U18.19 U19.3 U19.8 U20.3 U20.8 U21.3 U21.8 U22.3 U22.8 U23.2 U24.1 U24.28 U24.29 U25.12 U25.34 U26.2 U27.2 U28.2 U29.1 U29.2 U29.12 U29.21 U32.11 U32.12 U32.13 U33.2 U33.3 U33.4 Y1.2
VCC: C2.1 C6.1 C7.1 C22.1 C23.1 C24.1 C25.1 C26.1 C27.1 C28.1 C29.1 C30.1 C31.1 C32.1 C33.2 C49.1 C50.1 C51.1 C52.1 C53.1 C54.1 C55.1 C60.1 C62.1 C64.1 C65.1 C66.1 C68.1 C70.1 C73.1 C74.1 C75.1 C78.1 C79.2 C83.1 D3.2 D7.2 D11.1 D12.1 D13.1 F1.2 J1.1 J5.4 J6.1 J7.1 J8.7 J9.7 J12.3 J14.18 J20.1 J20.5 J22.1 J23.1 J25.1 J26.1 J29.1 J29.5 Q3.2 R27.1 R34.1 R35.1 R36.1 R42.2 R45.2 R52.2 RN8.1 RN8.2 RN8.3 RN8.4 RN9.1 RN9.2 RN9.3 RN9.4 RN10.3 RN10.4 RN13.1 RN13.2 RN13.3 RN13.4 RN14.1 RN14.2 RN14.3 RN14.4 RN15.1 RN15.2 RN15.3 RN15.4 RN16.1 RN16.2 RN16.3 RN16.4 RN19.1 RN19.2 RN19.3 RN19.4 RN20.1 RN20.2 RN20.3 RN20.4 RN21.1 RN21.2 RN21.3 RN21.4 RN22.5 RN22.6 RN22.7 RN22.8 SLOT1.4 SLOT1.5 SLOT1.6 SLOT1.7 U1.1 U2.1 U3.1 U4.1 U5.3 U5.31 U6.1 U9.16 U10.1 U11.15 U11.20 U12.16 U13.1 U13.23 U13.24 U17.3 U29.24 U32.1 U32.2 U32.3 U32.4 U32.5 U32.6 U32.7 U32.8 U32.9 U32.10
/_816: J1.6 U7.4
/_ABT: J1.4 RN8.7 U5.42 U7.10
/_CS2_VIA: RN3.5 U11.19 U13.22
/_RESET: J1.5 RN8.8 U5.34 U5.38 U7.12 U8.6 U11.31
/_RWVIA: U10.6 U11.18
/_VP: U5.40 U6.6
/A0: U1.10 U5.4 U10.17
/A1: U1.9 U5.5 U10.16
/A2: U1.8 U5.7 U10.15
/A3: U1.7 U5.8 U10.14
/A4: U1.6 U5.9
/A5: U1.5 U5.10
/A6: U1.4 U5.11
/A7: U1.3 U5.12
/A8: U3.10 U5.13
/A9: U3.9 U5.14
/A10: U3.8 U5.15
/A11: U3.7 U5.16
/A12: U3.6 U5.19
/A13: U3.5 U5.20
/A14: U3.4 U5.21
/A15: U3.3 U5.22
/Audio - Video/(SCK): RN11.8 U18.12
/Audio - Video/BCK: RN11.7 U18.13
/Audio - Video/DIN: RN11.6 U18.14
/Audio - Video/L: C12.2 C17.1 J11.1 R11.1
/Audio - Video/LHP: C5.2 J10.T
/Audio - Video/LRCK: RN11.5 U18.15
/Audio - Video/R: C13.2 C16.1 J13.1 R12.1
/Audio - Video/RHP: C4.2 J10.R
/Audio - Video/VAMP: C15.1 J12.2 R9.2 U16.8
/CA1: J6.11 U9.9 U11.38
/CA2: J6.12 U9.7 U11.37
/CB1: J7.11 U11.13 U12.7
/CB2: J7.12 U11.14 U12.6
/D0: U4.3 U5.30 U13.21
/D1: U4.4 U5.29 U13.20
/D2: U4.5 U5.28 U13.19
/D3: U4.6 U5.27 U13.18
/D4: U4.7 U5.26 U13.17
/D5: U4.8 U5.25 U13.16
/D6: U4.9 U5.24 U13.15
/D7: U4.10 U5.23 U13.14
/DATADIR5V: RN3.8 U4.2
/E: U5.33 U6.9 U7.3
/ESP/_CS0: J19.6 U24.26
/ESP/_CS1: J19.8 U24.27
/ESP/_ESP_RESET: C48.2 JP1.1 R15.1 U24.3
/ESP/_FWFLASH: JP2.1 R18.1
/ESP/ADC_CH0: J18.2 U24.7
/ESP/ADC_CH1: J18.3 U24.4
/ESP/ADC_CH2: J18.4 U24.5
/ESP/ADC_CH3: U24.17
/ESP/ADC_CH4: U24.16
/ESP/ESP_USB_N: R16.1 U23.6
/ESP/ESP_USB_P: R17.1 U23.4
/ESP/MISO2: J19.3 U24.19
/ESP/MOSI2: J19.4 U24.21
/ESP/SCL2: J19.5 U24.23
/F_VCCO0&1: SLOT1.164 SLOT1.166
/F_VCCO7: SLOT1.170 SLOT1.174
/I2C/ADC_AI0: J26.7 J28.2
/I2C/ADC_AI1: J26.8 R31.2
/I2C/ADC_AI2: J26.9 R27.2 R30.1
/I2C/ADC_AI3: C80.2 J26.10 R56.1
/I2C/SCL3: J22.3 RN21.7 U29.11
/I2C/SCL_5V: J23.3 RN20.5 U29.14
/I2C/SCL_ADC: J26.3 J29.3 RN22.4 U29.16
/I2C/SCL_CH2: J22.2 RN21.5 U29.9
/I2C/SCL_POW: J4.2 RN22.2 U29.18
/I2C/SCL_RTC: J25.3 RN20.8 U29.20
/I2C/SDA3: J22.4 RN21.6 U29.10
/I2C/SDA_5V: J23.4 RN20.6 U29.13
/I2C/SDA_ADC: J26.4 J29.4 RN22.3 U29.15
/I2C/SDA_CH2: J22.5 RN21.8 U29.8
/I2C/SDA_POW: J4.1 RN22.1 U29.17
/I2C/SDA_RTC: J25.2 RN20.7 U29.19
/JTAG_TCK: J2.6 SLOT1.149
/JTAG_TDI: J2.8 SLOT1.153
/JTAG_TDO: J2.10 SLOT1.147
/JTAG_TMS: J2.12 SLOT1.143
/M11_IOR27B_FPGA_TXO: J2.7 SLOT1.11
/MX: U5.36
/PA0: J6.3 J9.1 RN13.5 U9.1 U9.15 U11.40
/PA1: J6.4 J9.2 RN13.6 U9.2 U9.14 U11.41
/PA2: J6.5 J9.3 RN13.7 U9.3 U9.13 U11.42
/PA3: J6.6 J9.4 RN13.8 U9.4 U9.12 U11.43
/PA4: J6.7 J9.6 RN14.8 U9.11 U11.44
/PA5: J6.8 RN14.7 U9.5 U11.1
/PA6: J6.9 RN14.6 U9.10 U11.2
/PA7: J6.10 RN14.5 U9.6 U11.3
/PB0: J7.3 J8.1 RN15.5 U11.4 U12.15
/PB1: J7.4 J8.2 RN15.6 U11.6 U12.14
/PB2: J7.5 J8.3 RN15.7 U11.7 U12.13
/PB3: J7.6 J8.4 RN15.8 U11.8 U12.12
/PB4: J7.7 J8.6 RN16.5 U11.9 U12.11
/PHI2: RN3.6 U5.35
/PHI2.2: RN3.7 U11.21
/RDY: U5.41 U6.5
/RS0: U10.7 U11.36
/RS1: U10.8 U11.35
/RS2: U10.9 U11.34
/RS3: U10.10 U11.33
/RW: U5.32 U6.10 U10.18 U13.2
/T10_IOR35B_FPGA_~{RST}: SLOT1.15
/T13_IOR8B_FPGA_RXO: J2.5 SLOT1.1
/USB/PS2DAT: J5.1 RN10.5 U8.1 U8.4
/USB/PSCLK: J5.5 RN10.6 U8.10 U8.13
/USB/UD3N: R24.1 U28.4
/USB/UD3P: R23.1 U28.6
/USB/UD11N: RN12.6 U26.4
/USB/UD11P: RN12.5 U26.6
/USB/UD21N: RN12.8 U27.4
/USB/UD21P: RN12.7 U27.6
/USB/UD_1N: J20.2 U26.3
/USB/UD_1P: J20.3 U26.1
/USB/UD_2N: J20.6 U27.3
/USB/UD_2P: J20.7 U27.1
/VD0: U11.30 U13.3
/VD1: U11.29 U13.4
/VD2: U11.28 U13.5
/VD3: U11.26 U13.6
/VD4: U11.25 U13.7
/VD5: U11.24 U13.8
/VD6: U11.23 U13.9
/VD7: U11.22 U13.10
/VDA: U5.37 U6.7
/VPA: U5.2 U6.8
_ABT.: SLOT1.177 U7.11
_CE_RAM1: SLOT1.67 U25.8
_CE_RAM2: SLOT1.62
_CESD: J3.1 SLOT1.193
_CSFLASH: SLOT1.183 U15.1
_CSFLASH2: SLOT1.191 U14.1
_CSVIA: SLOT1.90 U2.17
_hdmi_rx: D9.1 Q4.3 R45.1 R49.2 U32.22 U33.1
_IRQ.: SLOT1.175 U7.9
_IRQVIA: U7.1 U11.17
_NMI.: SLOT1.181 U7.5
_RE: SLOT1.73 U25.37
_RESET.: R32.2 SLOT1.176 U7.13 U14.7 U15.7 U18.17 U29.3
_VP.: SLOT1.51 U6.18
_WPFLASH: R4.2 SW1.1 U15.3
_WPFLASH2: R3.2 SW1.2 U14.3
A16: SLOT1.84 U25.38
A17: SLOT1.80 U25.39
A18: SLOT1.78 U25.40
A19: SLOT1.76 U25.41
A20: SLOT1.74 U25.42
A_0: RN2.1 SLOT1.135 U25.25
A_1: RN2.2 SLOT1.131 U25.26
A_2: RN2.3 SLOT1.129 U25.27
A_3: RN2.4 SLOT1.125 U25.28
A_4: RN1.1 SLOT1.123 U25.29
A_5: RN1.2 SLOT1.121 U25.30
A_6: RN1.3 SLOT1.148 U25.20
A_7: RN1.4 SLOT1.146 U25.19
A_8: RN5.1 SLOT1.119 U25.18
A_9: RN5.2 SLOT1.115 U25.17
A_10: RN5.3 SLOT1.113 U25.16
A_11: RN5.4 SLOT1.109 U25.7
A_12: RN4.1 SLOT1.107 U25.6
A_13: RN4.2 SLOT1.103 U25.5
A_14: RN4.3 SLOT1.101 U25.4
